# Altium PCB tesis.PcbDoc (part 1 of 3) (continued)
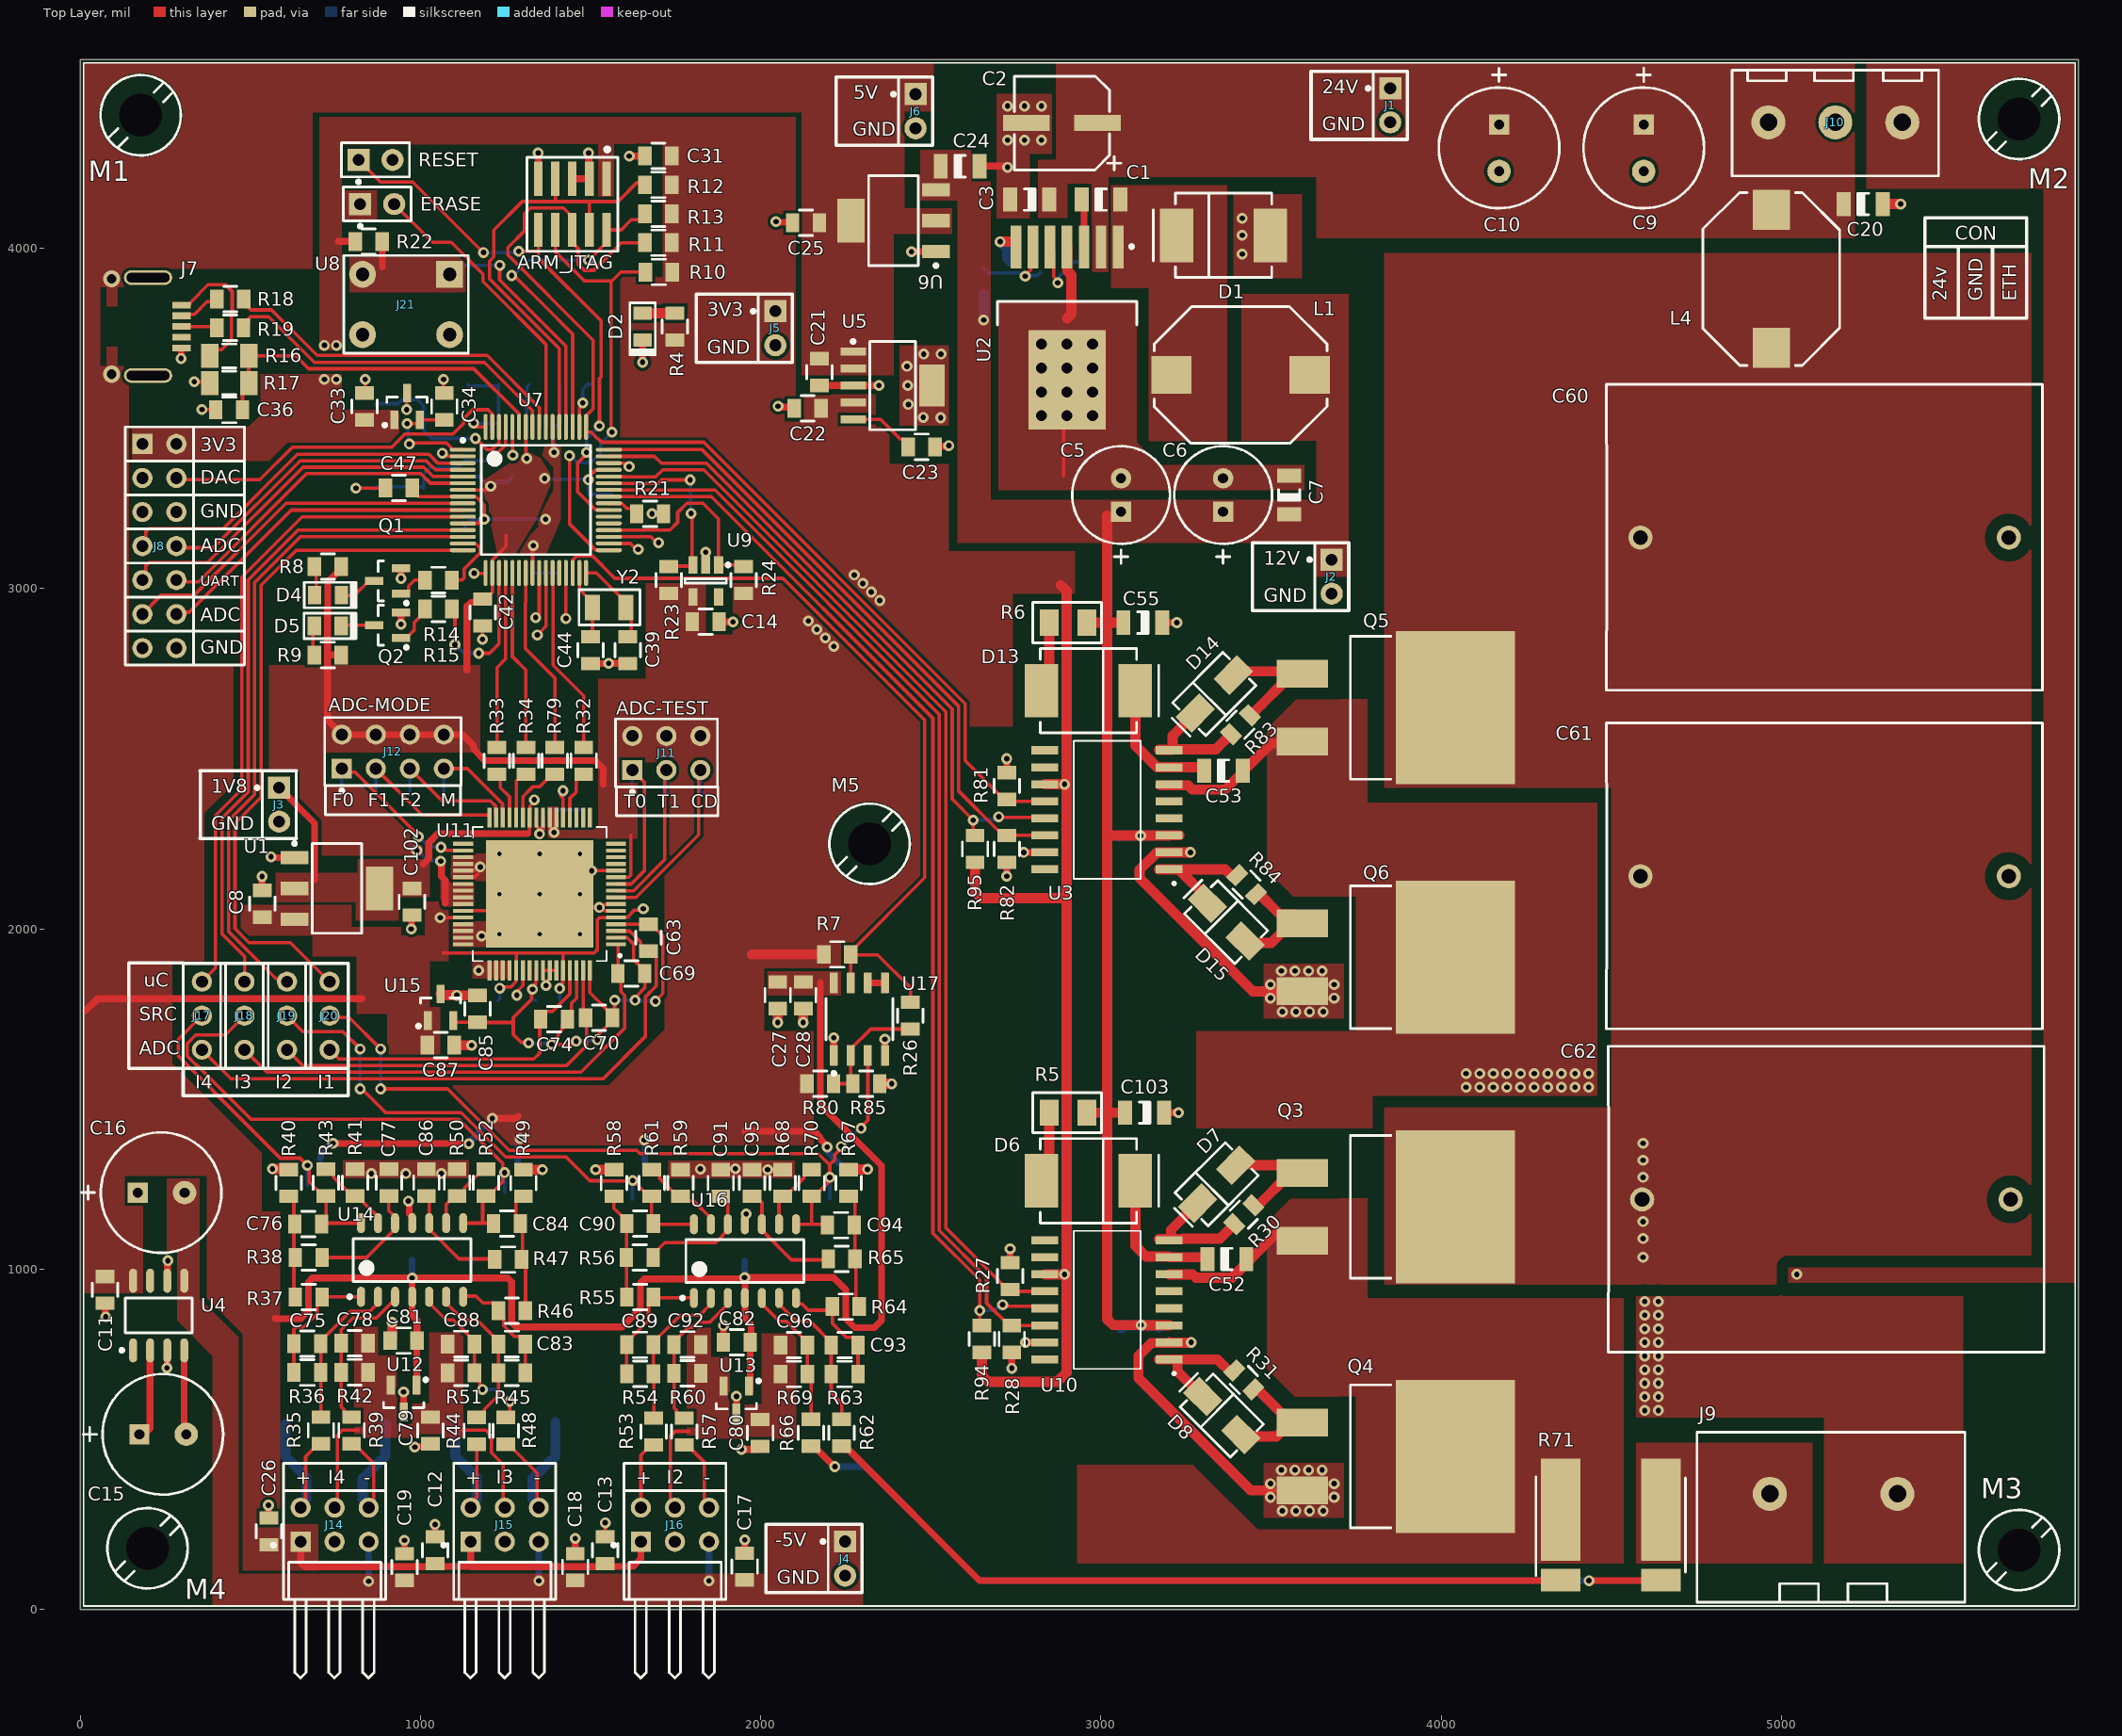
[diagram p0: Top Layer view]
## Components (designator, comment, footprint, x,y, rotation, side; value= is the part's Value field where it differs from the comment) (continued)
C88 "CAP_GRM2195C1H103FA01D_MURATA" CAPC2013X110N 1119.66,780.31 r0 top value=10nF
C89 "CAP_GRM2195C1H103FA01D_MURATA" CAPC2013X110N 1645.66,777.94 r180 top value=10nF
C90 "CAP_GRM2195C1H103FA01D_MURATA" CAPC2013X110N 1645.65,1134.44 r0 top value=10nF
C91 "CAP_GRM2195C1H103FA01D_MURATA" CAPC2013X110N 1882.66,1253.39 r270 top value=10nF
C92 "CAP_GRM2195C1H103FA01D_MURATA" CAPC2013X110N 1784.66,778.94 r180 top value=10nF
C93 "CAP_GRM2165C1H362JA01D" CAPC2013X110N 2246.66,776.94 r0 top value=3.6nF
C94 "CAP_GRM2195C1H103FA01D_MURATA" CAPC2013X110N 2235.65,1129.44 r180 top value=10nF
C95 "CAP_GRM2195C1H103FA01D_MURATA" CAPC2013X110N 1974.66,1253.39 r270 top value=10nF
C96 "CAP_GRM2165C1H362JA01D" CAPC2013X110N 2097.66,776.94 r0 top value=3.6nF
C97 "CAP_CC0805KRX7R8BB104_YAGEO" CAPC2013X110N 974.66,1067.31 r90 bottom value=0.1µF
C98 "CAP_CC0805KRX7R8BB104_YAGEO" CAPC2013X110N 1952.66,1063.94 r90 bottom value=0.1µF
C99 "CAP_GRM31CR61E476ME44L" CAPC3216X135N_B 3060,770 r90 bottom
C100 "CAP_GRT31CR61H106ME01L" CAPC3216X135N_B 5073,1273.5 r0 bottom value=10uF
C101 "CAP_GRT31CR61H106ME01L" CAPC3216X135N_B 5073,1173.5 r0 bottom value=10uF
C102 "CAP_CL21A106KOCL3RC" CAPC2013X110N 975,2079.63 r270 top value=10µF
C103 "CAP_GRM31CR61E476ME44L" CAPC3216X135N_B 3128,1460 r180 top
C104 "CAP_CC0805KRX7R8BB104_YAGEO" CAPC2013X110N 2898,985 r0 bottom value=0.1µF
C105 "CAP_GRT31CR61H106ME01L" CAPC3216X135N_B 5073,1363.5 r0 bottom value=10uF
C106 "CAP_CC0805KRX7R8BB104_YAGEO" CAPC2013X110N 3170,790 r270 bottom value=0.1µF
C108 "CAP_CC0805KRX7R8BB104_YAGEO" CAPC2013X110N 3180,2235 r270 bottom value=0.1µF
D1 "SK36-TP" DIOM7959X262N 3360.24,4038 r0 top
D2 "DIO_150080YS75000_WURTH" DIO0805 1653,3770 r90 top
D4 "DIO_150080RS75000_WURTH" DIO0805 728.49,2980.98 r180 top
D5 "DIO_150080VS75000_WURTH" DIO0805 728,2890 r180 top
D6 "SK36-TP" DIOM7959X262N 2963,1260 r180 top
D7 "S1A-13-F" DIOM430260X215N 3340,1250 r45 top
D8 "S1A-13-F" DIOM430260X215N 3355,570 r315 top
D9 "BAS40-04-TP" SOT23-3M 668,1285 r270 bottom
D10 "BAS40-04-TP" SOT23-3M 1248,1265 r270 bottom
D11 "BAS40-04-TP" SOT23-3M 1623,1245 r270 bottom
D12 "BAS40-04-TP" SOT23-3M 2203,1245.86 r270 bottom
D13 "SK36-TP" DIOM7959X262N 2963,2700 r180 top
D14 "S1A-13-F" DIOM430260X215N 3333,2690 r45 top
D15 "S1A-13-F" DIOM430260X215N 3368,2020 r315 top
ERASE "CON_Header_1x2" RAD2 873,4130 r0 top
J1 "CON_Header_1x2" RAD2 3850,4420 r270 top
J2 "CON_Header_1x2" RAD2 3678,3035 r270 top
J3 "CON_Header_1x2" RAD2 585,2365 r270 top
J4 "CON_Header_1x2" RAD2 2248,150 r270 top
J5 "CON_Header_1x2" RAD2 2043,3765 r270 top
J6 "CON_Header_1x2" RAD2 2455,4402.78 r270 top
J7 "CON_MINI_USB" "UBS MINIB" 58,3770 r270 top
J8 "CON_Header_CAL_1" HEADERCAL_1 183,3425 r270 top
J9 "CON_1714971" PHOENIX_1714971 5153,340 r0 top
J10 "CON_691137710003" CON_691137710003 5158.15,4370 r180 top
J11 "CON_Header_2x3" HDR2X3 1622.91,2466.95 r0 top
J12 "CON_Header_2x4" HDR2X4 769,2471 r0 top
J14 "CON_Header_2x3_90º" HDR2X3-90º 648,199.44 r0 top
J15 "CON_Header_2x3_90º" HDR2X3-90º 1148,199.44 r0 top
J16 "CON_Header_2x3_90º" HDR2X3-90º 1648,199.44 r0 top
J17 "CON_Header_1x3_3D" PIN3_3DMODEL 358,1845 r270 top
J18 "CON_Header_1x3_3D" PIN3_3DMODEL 483,1845 r270 top
J19 "CON_Header_1x3_3D" PIN3_3DMODEL 608,1845 r270 top
J20 "CON_Header_1x3_3D" PIN3_3DMODEL 733,1845 r270 top
J21 "MSC_B3F-1000_OMRON" SW_1825910-6 958,3835 r0 top
L1 "MAG_SRR1005-100M_BOURNS" MAG_INDUCTOR2A 3410.24,3628 r0 top value=10UH/2A
L3 "MAG_PM1812-100J-RC" INDC4532X170N 1322.01,3490 r180 bottom value=10UH/250mA
L4 "MAG_SRR1005-100M_BOURNS" MAG_INDUCTOR2A 4970,3910 r270 top value=10UH/2A
M1 "MSC_SCREW" MH320 178,4391 r0 top
M2 "MSC_SCREW" MH320 5698,4380 r0 top
M3 "MSC_SCREW" MH320 5698,175 r0 top
M4 "MSC_SCREW" MH320 198,180 r0 top
M5 "MSC_SCREW" MH320 2320,2250 r0 top
Q1 "MMBT2222A" SOT23-3M 903.63,3022.4 r180 top
Q2 "MMBT2222A" SOT23-3M 903.63,2892.4 r180 top
Q3 "IRF3205S" FP-PG-TO263-3-MFG 3923,1183.33 r270 top
Q4 "IRF3205S" FP-PG-TO263-3-MFG 3923,450 r270 top
Q5 "IRF3205S" FP-PG-TO263-3-MFG 3923,2650 r270 top
Q6 "IRF3205S" FP-PG-TO263-3-MFG 3923,1916.67 r270 top
R1 "RES_RC0805FR-078K87L" RESC2013X065BN 2655.24,3903 r90 bottom value=8k87
R2 "RES_ERJ-8GEYJ822V_Panasonic" RESC3216N 2930.24,3903 r90 bottom value=8.2K
R3 "RES_RC0805FR-071K07L" RESC2013X065BN 2823,3890 r90 bottom value=1k07
R4 "RES_RC0805FR-07130RL_YAGEO" RESC2013X065BN 1748,3770 r270 top value=130
R5 "RES_RCS12062R00JNEA_VISHAY" RES_RCS1206e3_VISHAY 2903,1460 r0 top value=2
R6 "RES_RCS12062R00JNEA_VISHAY" RES_RCS1206e3_VISHAY 2903,2900 r0 top value=2
R7 "RES_RC0805FR-074K7L_YAGEO" RESC2013X065BN 2225,1925 r180 top value=4K7
R8 "RES_RC0805FR-07130RL_YAGEO" RESC2013X065BN 728,3065 r0 top value=130
R9 "RES_RC0805FR-07130RL_YAGEO" RESC2013X065BN 728,2805 r0 top value=130
R10 "RES_AC0805JR-07100KL_YAGEO" RESC2013X065BN 1700.59,3930.18 r0 top value=100k
R11 "RES_AC0805JR-07100KL_YAGEO" RESC2013X065BN 1699.16,4016.26 r0 top value=100k
R12 "RES_AC0805JR-07100KL_YAGEO" RESC2013X065BN 1699.16,4186.26 r0 top value=100k
R13 "RES_AC0805JR-07100KL_YAGEO" RESC2013X065BN 1699.16,4101.26 r0 top value=100k
R14 "RES_RC0805FR-0710KL_YAGEO" RESC2013X065BN 1053,3025 r0 top value=10k
R15 "RES_RC0805FR-0710KL_YAGEO" RESC2013X065BN 1053,2940 r0 top value=10k
R16 "RES_RC1206JR-07100KL_YAGEO" RESC3216N 438.27,3684 r0 top value=100k
R17 "RES_RC1206JR-07180KL_YAGEO" RESC3216N 438.27,3604 r180 top value=180k
R18 "RES_AC0805JR-0722RL_YAGEO" RESC2013X065BN 441.27,3851 r0 top value=22
R19 "RES_AC0805JR-0722RL_YAGEO" RESC2013X065BN 441.01,3766.74 r0 top value=22
R20 "RES_RC0805JR-0710KL_YAGEO" RESC2013X065BN 1499.6,3639.63 r270 bottom value=10k
R21 "RES_RC0805JR-0710KL_YAGEO" RESC2013X065BN 1675,3220 r180 top value=10k
R22 "RES_RC0805JR-0710KL_YAGEO" RESC2013X065BN 848,4020 r180 top value=10k
R23 "RES_RC0805FR-074K7L_YAGEO" RESC2013X065BN 1730,3025 r270 top value=4K7
R24 "RES_RC0805FR-074K7L_YAGEO" RESC2013X065BN 1950,3025 r270 top value=4K7
R25 "RES_AC0805JR-07100KL_YAGEO" RESC2013X065BN 4738,1085 r180 bottom value=100k
R26 "RES_RC0805FR-0724KL_YAGEO" RESC2013X065BN 2440,1745 r270 top value=24k
R27 "RES_RC0805FR-074K7L_YAGEO" RESC2013X065BN 2733,980 r270 top value=4K7
R28 "RES_RC0805FR-074K7L_YAGEO" RESC2013X065BN 2738,795 r90 top value=4K7
R29 "RES_AC0805JR-07100KL_YAGEO" RESC2013X065BN 5063,1085 r180 bottom value=100k
R30 "RES_AC0805JR-0722RL_YAGEO" RESC2013X065BN 3420,1160 r45 top value=22
R31 "RES_AC0805JR-0722RL_YAGEO" RESC2013X065BN 3420,675 r315 top value=22
R32 "RES_RC0805FR-07100RL_YAGEO" RESC2013X065BN 1480,2494 r270 top value=100
R33 "RES_RC0805FR-07100RL_YAGEO" RESC2013X065BN 1225,2493.88 r270 top value=100
R34 "RES_RC0805FR-07100RL_YAGEO" RESC2013X065BN 1310,2494 r270 top value=100
R35 "RES_RC0805FR-073K16L_YAGEO" RESC2013X065BN 707.66,526.31 r270 top value=3k16
R36 "RES_RC0805FR-074K7L_YAGEO" RESC2013X065BN 667.66,696.31 r0 top value=4K7
R37 "RES_RC0805FR-079K31L_YAGEO" RESC2013X065BN 671.65,918.44 r0 top value=9K31
R38 "RES_RC0805FR-074K7L_YAGEO" RESC2013X065BN 671.65,1034.44 r180 top value=4K7
R39 "RES_RC0805FR-073K16L_YAGEO" RESC2013X065BN 797.66,526.31 r270 top value=3k16
R40 "RES_RC0805FR-079K31L_YAGEO" RESC2013X065BN 612.74,1253.39 r270 top value=9K31
R41 "RES_RC0805FR-0710KL_YAGEO" RESC2013X065BN 807.66,1254.31 r270 top value=10k
R42 "RES_RC0805FR-074K7L_YAGEO" RESC2013X065BN 806.66,697.31 r0 top value=4K7
R43 "RES_RC0805FR-0710KL_YAGEO" RESC2013X065BN 722.66,1254.31 r90 top value=10k
R44 "RES_RC0805FR-073K16L_YAGEO" RESC2013X065BN 1165.66,525.31 r270 top value=3k16
R45 "RES_RC0805FR-074K7L_YAGEO" RESC2013X065BN 1268.66,695.31 r180 top value=4K7
R46 "RES_RC0805FR-079K31L_YAGEO" RESC2013X065BN 1269,878.44 r180 top value=9K31
R47 "RES_RC0805FR-074K7L_YAGEO" RESC2013X065BN 1258,1028.44 r0 top value=4K7
R48 "RES_RC0805FR-073K16L_YAGEO" RESC2013X065BN 1250.66,525.31 r270 top value=3k16
R49 "RES_RC0805FR-079K31L_YAGEO" RESC2013X065BN 1302.74,1253.39 r270 top value=9K31
R50 "RES_RC0805FR-0710KL_YAGEO" RESC2013X065BN 1107.66,1254.31 r270 top value=10k
R51 "RES_RC0805FR-074K7L_YAGEO" RESC2013X065BN 1119.66,695.31 r180 top value=4K7
R52 "RES_RC0805FR-0710KL_YAGEO" RESC2013X065BN 1192.66,1254.31 r90 top value=10k
R53 "RES_RC0805FR-073K16L_YAGEO" RESC2013X065BN 1685.66,522.94 r270 top value=3k16
R54 "RES_RC0805FR-074K7L_YAGEO" RESC2013X065BN 1645.66,692.94 r0 top value=4K7
R55 "RES_RC0805FR-079K31L_YAGEO" RESC2013X065BN 1645.66,917.94 r0 top value=9K31
R56 "RES_RC0805FR-074K7L_YAGEO" RESC2013X065BN 1644.65,1034.44 r180 top value=4K7
R57 "RES_RC0805FR-073K16L_YAGEO" RESC2013X065BN 1775.66,522.94 r270 top value=3k16
R58 "RES_RC0805FR-079K31L_YAGEO" RESC2013X065BN 1568.74,1253.39 r270 top value=9K31
R59 "RES_RC0805FR-0710KL_YAGEO" RESC2013X065BN 1764.66,1253.39 r270 top value=10k
R60 "RES_RC0805FR-074K7L_YAGEO" RESC2013X065BN 1784.66,693.94 r0 top value=4K7
R61 "RES_RC0805FR-0710KL_YAGEO" RESC2013X065BN 1679.66,1253.39 r90 top value=10k
R62 "RES_RC0805FR-071K02L" RESC2013X065BN 2238,519.44 r270 top value=1.02k
R63 "RES_RC0805FR-0712K7L" RESC2013X065BN 2246.66,691.94 r180 top value=12.7k
R64 "RES_RC0805FR-079K31L_YAGEO" RESC2013X065BN 2250,890 r180 top value=9K31
R65 "RES_RC0805FR-074K7L_YAGEO" RESC2013X065BN 2238,1030 r0 top value=4K7
R66 "RES_RC0805FR-071K02L" RESC2013X065BN 2148,519.44 r270 top value=1.02k
R67 "RES_RC0805FR-079K31L_YAGEO" RESC2013X065BN 2258.74,1253.39 r270 top value=9K31
R68 "RES_RC0805FR-0710KL_YAGEO" RESC2013X065BN 2064.66,1253.39 r270 top value=10k
R69 "RES_RC0805FR-0712K7L" RESC2013X065BN 2097.66,691.94 r180 top value=12.7k
R70 "RES_RC0805FR-0710KL_YAGEO" RESC2013X065BN 2149.66,1253.39 r90 top value=10k
R71 "WSL36376L000FEA" RES_WSL36376L000FEA 4498,190 r270 top value=6mR
R72 "RES_RC0805FR-0710KL_YAGEO" RESC2013X065BN 770.65,2355.06 r90 bottom value=10k
R73 "RES_RC0805FR-0710KL_YAGEO" RESC2013X065BN 870.65,2355.06 r90 bottom value=10k
R74 "RES_RC0805FR-0710KL_YAGEO" RESC2013X065BN 970.65,2355.06 r90 bottom value=10k
R75 "RES_RC0805FR-0710KL_YAGEO" RESC2013X065BN 1070.65,2355.06 r90 bottom value=10k
R76 "RES_RC0805FR-0710KL_YAGEO" RESC2013X065BN 1623.5,2356.32 r90 bottom value=10k
R77 "RES_RC0805FR-0710KL_YAGEO" RESC2013X065BN 1726.84,2357.3 r90 bottom value=10k
R78 "RES_RC0805FR-0710KL_YAGEO" RESC2013X065BN 1833.14,2358.28 r90 bottom value=10k
R79 "RES_RC0805FR-07100RL_YAGEO" RESC2013X065BN 1395,2494 r270 top value=100
R80 "RES_RC0805FR-0710KL_YAGEO" RESC2013X065BN 2175,1545 r180 top value=10k
R81 "RES_RC0805FR-074K7L_YAGEO" RESC2013X065BN 2723,2420 r270 top value=4K7
R82 "RES_RC0805FR-074K7L_YAGEO" RESC2013X065BN 2723,2235 r90 top value=4K7
R83 "RES_AC0805JR-0722RL_YAGEO" RESC2013X065BN 3410,2600 r45 top value=22
R84 "RES_AC0805JR-0722RL_YAGEO" RESC2013X065BN 3428,2130 r315 top value=22
R85 "RC0805JR-0775KL" RESC2013X065BN 2310,1545 r180 top value=75k
R86 "RES_RC1206FR-071RL" RESC3216N 660,545 r0 bottom value=1
R87 "RES_RC1206FR-071RL" RESC3216N 660,460 r0 bottom value=1
R88 "RES_RC1206FR-071RL" RESC3216N 840,460 r0 bottom value=1
R89 "RES_RC1206FR-071RL" RESC3216N 840,545 r0 bottom value=1
R90 "RES_RC1206FR-071RL" RESC3216N 1160,550 r0 bottom value=1
R91 "RES_RC1206FR-071RL" RESC3216N 1160,460 r0 bottom value=1
R92 "RES_RC1206FR-071RL" RESC3216N 1340,460 r0 bottom value=1
R93 "RES_RC1206FR-071RL" RESC3216N 1340,550 r0 bottom value=1
R94 "RES_RC0805FR-074K7L_YAGEO" RESC2013X065BN 2650,795 r270 top value=4K7
R95 "RES_RC0805FR-074K7L_YAGEO" RESC2013X065BN 2630,2235 r270 top value=4K7
RESET "CON_Header_1x2" RAD2 868,4260 r0 top
U1 "LM1117MP-1.8/NOPB" SOT223-3L 755,2119 r0 top
U2 "LM22673TJ-ADJ" TJ7A_N 2900.24,3766.78 r270 top
U3 "IRS2110SPBF" SOIC127P1030X265-16N 3018,2350 r180 top
U4 "LM2660" SOIC127P600-8BN 231,864 r90 top
U5 "TPS79533DCQR" SOT223-6L 2387.8,3596.68 r0 top
U6 "LM1117MP-5.0/NOPB" SOT223-3L 2390,4081 r180 top
U7 "SAM4S8B" TQFP50P1000X1000X160-64N 1339.16,3260.42 r0 top value=ATSAM4S
U8 "ISL21010_3V0" SOT23-3M 960.4,3535.32 r90 top
U9 "FT24C04A-KLR-T" SOT23-5AM 1838.42,3022.35 r270 top
U10 "IRS2110SPBF" SOIC127P1030X265-16N 3018,910 r180 top
U11 "ADS1174IPAPT" TFP410PAP 1350.5,2102.43 r180 top
U12 "ISL21080_1V5" SOT23-3M 950.66,620.31 r270 top
U13 "ISL21080_1V5" SOT23-3M 1928.66,616.94 r270 top
U14 "IC_TLV2474_ANALOG" SOIC127P600-14AN 975.66,1027.31 r90 top value=TLV2474
U15 "ISL21080_1V5" SOT23-3M 1059.31,1769.54 r90 top
U16 "IC_TLV2474_ANALOG" SOIC127P600-14AN 1953.66,1023.94 r90 top value=TLV2474
U17 "LM311D" FP-D0008A-MFG 2290,1735 r90 top
Y1 "MSC_ECS-120-20-3X-TR_ECS" CSM-3X 1009.6,3402.27 r270 bottom value=12MHz
Y2 "MSC_ECS-.327-12.5-34S-TR_ECS" XTAL3215X090N 1554.6,2944 r0 top value=32.768KHz

## Footprints (in the part's own frame and the unit in brackets; to place one, negate y for a bottom-side part, rotate by r counter-clockwise, add the part's x,y. Pads: shape width x height; smd on the part's side, far side on the other; paste and mask are expansions set on the pad)
C180H110 [mm]
  round 1.8 hole 1.1: 1(0,0) 2(27.5,0)
  silkscreen extent -2.54,-11.39 30,11.43, body extent -2.03,-11 29.47,11, height 36.5
CAPAE630770X770N [mm] "SMD Aluminum Electrolytic Capacitor; Body: 6.3x7.7 mm (DxL) // Source: UD series, Nichicon"
  rect 3.5x1.2 smd: 1(2.65,0) 2(-2.65,0)
  silkscreen extent -3.55,-3.5 4.4,3.5, body extent -3.65,-3.3 3.65,3.3, height 7.7
CAPC2013X110N [mm] "Chip Capacitor, 0805, Body 2.0x1.3mm, IPC Medium Density"
  rect 1x1.4 smd: 1(-1,0) 2(1,0)
  silkscreen extent -0.5,-0.95 0.5,0.95, body extent -1,-0.62 1,0.63, height 0.6
CAPC3216X135N_B [mm] "Chip Capacitor, 1206, UL840 2mm, Body 3.2x1.6mm, IPC Medium Density"
  rect 1.05x1.8 smd: 1(-1.45,0) 2(1.45,0)
  silkscreen extent -0.4,-0.8 0.4,0.8, body extent -1.6,-0.8 1.6,0.8, height 0.79
CAPPRD250W50D630H1250 [mil] "Capacitor, Polarized Radial Diameter, 2.5 Lead Spacing, 0.5 Lead Width, 6.3 Diameter, 12.5 Height"
  rect 60x60 hole 30: 1(0,-49.21)
  round 60 hole 30: 2(0,49.21)
  silkscreen extent -144,-201 144,144, body extent -125,-125 125,125, height 513
CAPPRD350W60D800H1200 [mm] "Capacitor, Polarized Radial Diameter, 3.5 Lead Spacing, 0.6 Lead Width, 8.0 Diameter, 12.0 Height"
  rect 1.5x1.5 hole 0.75: 1(0,-1.75)
  round 1.75 hole 0.75: 2(0,1.75)
  silkscreen extent -4.5,-5.95 4.5,4.5, body extent -4.24,-4.25 4.24,4.21, height 13
CON_691137710003 [mm] "Terminal Block 5.08mm pitch, vertical, 3 positions pcb mounting, Phoenix Contact"
  round 2.54 hole 1.3: 1(-5,0) 2(0,0) 3(5,0)
  silkscreen extent -7.7,-3.9 7.7,4, body extent -7.5,-3.7 7.5,3.8, height 11.51
CSM-3X [mm] "Quartz Crystal, SM; Body 7.00 mm x 4.10 mm x 2.30 mm"
  rect 3.5x1.2 smd: 1(-2.75,0) 2(2.75,0)
  silkscreen extent -4.25,-2.22 4.13,2.29, body extent -3.8,-2.03 3.8,2.07, height 2.3
DIO0805 [mm] "Chip Capacitor, 0805, Body 2.0x1.3mm, IPC Medium Density"
  rect 1x1.4 smd: 1(-1,0) 2(1,0)
  silkscreen extent -2.1,-0.95 1.78,0.95, body extent -1,-0.62 1,0.62, height 0.8
DIOM7959X262N [mm] "Molded Diode, JEDEC DO-214AB (SMC), 7.9mmX5.9mm"
  rect 2.5x4 smd: 1(-3.5,0) 2(3.5,0)
  silkscreen extent -5.25,-3.15 3.6,3.15, body extent -3.98,-2.95 3.97,2.95, height 2.3
DIOM430260X215N [mm] "SMA (DO-214AC) // Source: AP02001 Rev. 37 - Recommended Pad Layout per IPC-7351A, Diodes Inc"
  rect 2.5x1.7 smd: 1(-2,0) 2(2,0)
  silkscreen extent -3.5,-1.75 2.65,1.75, body extent -2.6,-1.3 2.6,1.3, height 2.5
FCI_20021121-00010C4LF [mil] "CONNECTOR, MICRO TERMINAL STRIP, 10POS, 2ROW, 1.27MM"
  rect 100x25 smd: 1(-75,100) 2(75,100) 3(-75,50) 4(75,50) 5(-75,0) 6(75,0) 7(-75,-50) 8(75,-50) 9(-75,-100) 10(75,-100)
  silkscreen extent -163,-133 138,133, body extent -108,-125 108,125, height 176
FP-D0008A-MFG [mm]
  rrect17% 1.55x0.6 smd paste+0 mask+0: 1(-2.7,1.905) 2(-2.7,0.635) 3(-2.7,-0.635) 4(-2.7,-1.905) 5(2.7,-1.905) 6(2.7,-0.635) 7(2.7,0.635) 8(2.7,1.905)
  silkscreen extent -4.17,-2.5 1.55,2.5, body extent -3.57,-2.75 3.57,2.75, height 0.25
FP-PG-TO263-3-MFG [mm]
  rect 2.08x3.81 smd paste+0 mask+0: 1(-2.54,-8.417) 3(2.54,-8.417)
  rect 11.43x8.89 smd paste+0 mask+0: 2(0,3.013)
  silkscreen extent -5.34,-4.82 5.34,-1.81, body extent -5.81,-10.42 5.81,7.56, height 0.25
HDR2X3 [mm]
  rect 1.5x1.5 hole 0.9: 1(0,0)
  round 1.5 hole 0.9: 2(0,2.54) 3(2.54,0) 4(2.54,2.54) 5(5.08,0) 6(5.08,2.54)
  silkscreen extent -1.27,-1.78 6.35,3.81, body extent -1.27,-1.27 6.35,3.81, height 9.21
HDR2X3-90º [mm]
  rect 1.5x1.5 hole 0.9: 1(0,0)
  round 1.5 hole 0.9: 2(0,2.54) 3(2.54,0) 4(2.54,2.54) 5(5.08,0) 6(5.08,2.54)
  silkscreen extent -2.16,-10.17 6.35,3.81, body extent -0.98,-9.79 6.24,2.84, height 4.84
HDR2X4 [mm]
  rect 1.5x1.5 hole 0.9: 1(0,0)
  round 1.5 hole 0.9: 2(0,2.54) 3(2.54,0) 4(2.54,2.54) 5(5.08,0) 6(5.08,2.54) 7(7.62,0) 8(7.62,2.54)
  silkscreen extent -1.27,-1.78 8.89,3.81, body extent -1.27,-1.27 8.89,3.81, height 9.27
HEADERCAL_1 [mm]
  rect 1.5x1.5 hole 0.9: 1(0,0)
  round 1.5 hole 0.9: 2(0,2.54) 3(2.54,0) 4(2.54,2.54) 5(5.08,0) 6(5.08,2.54) 7(7.62,0) 8(7.62,2.54) 9(10.16,0) 10(10.16,2.54) 11(12.7,0) 12(12.7,2.54) 13(15.24,0) 14(15.24,2.54)
  silkscreen extent -1.27,-1.27 16.51,7.62
INDC4532X170N [mm] "Chip Inductor, Body 4.5x3.2mm, IPC Medium Density"
  rect 1.5x3 smd: 1(-2.25,0) 2(2.25,0)
  silkscreen extent -1,-1.85 1,1.85, body extent -2.25,-1.6 2.25,1.6
MAG_INDUCTOR2A [mm] "Precision Wire Wound Inductor, 2-Leads, Body 12,7x10,0mm, IPC Medium Density"
  rect 3x2.8 smd: 1(-5.15,0) 2(5.15,0)
  silkscreen extent -6.45,-5.1 6.45,5.1, body extent -6.48,-5 6.22,5, height 5.2
MH320 [mm] "Mounting Hole, 3.2mm diameter"
  round 0 hole 3.2 unplated: 1(0,0)
  silkscreen extent -3,-3 3,3
PHOENIX_1714971 [mm] "Terminal Block 5.08mm pitch, vertical, 2 positions pcb mounting, Phoenix Contact"
  round 2.54 hole 1.3: 1(-4.76,0) 2(4.76,0)
  silkscreen extent -10.2,-8.1 9.8,4.6, body extent -10.11,-8 9.51,4.5, height 21.51
PIN3_3DMODEL [mm]
  round 1.5 hole 0.9: 1(0,0) 3(5.08,0)
  oval 1.51x1.5 hole 0.9: 2(2.54,0)
  silkscreen extent -1.4,-1.4 6.48,1.4, body extent -1.21,-1.46 6.41,1.46, height 8.51
RAD2 [mil] "Radial Cap, Thru-Hole; 2 Leads; 0.1 in Pin Spacing"
  rect 65x65 hole 35: 1(-50,0)
  round 65 hole 35: 2(50,0)
  silkscreen extent -100,-70 100,50, body extent -97,-51 103,47, height 330
RES_RCS1206e3_VISHAY [mm]
  rect 1.4x1.95 smd: 1(-1.4,0) 2(1.4,0)
  silkscreen extent -2.62,-1.5 2.5,1.5, body extent -1.6,-0.8 1.6,0.8, height 0.66
RES_WSL36376L000FEA [mm]
  rect 1.68x2.95 smd: 1(2.63,3.735) 2(2.63,-3.735)
  rect 7.62x2.95 smd: 3(-2.63,3.735) 4(-2.63,-3.735)
  silkscreen extent -5.08,-5.59 2.29,5.59, body extent -6,-4.57 3.4,4.57, height 0.65
RESC2013X065BN [mm] "Chip Resistor, 0805, Body 2.0x1.3mm, Pads modified for 1mm spacing."
  rect 1x1.4 smd: 1(-1,0) 2(1,0)
  silkscreen extent -0.5,-0.95 0.5,0.95, body extent -1,-0.63 1,0.63, height 0.45
RESC3216N [mm] "Chip Resistor, Body 3.2x1.6mm, IPC Medium Density"
  rect 1.3x1.8 smd: 1(-1.45,0) 2(1.45,0)
  silkscreen extent -0.5,-0.9 0.5,0.87, body extent -1.6,-0.8 1.6,0.8, height 0.55
SOIC127P600-8BN [mm] "SOIC, 8-Leads, Body 4.9x3.9mm, Pitch 1.27mm, IPC Medium Density"
  oval 1.8x0.6 smd: 1(-2.6,1.905) 2(-2.6,0.635) 3(-2.6,-0.635) 4(-2.6,-1.905) 5(2.6,-1.905) 6(2.6,-0.635) 7(2.6,0.635) 8(2.6,1.905)
  silkscreen extent -2.72,-2.5 1.3,2.88, body extent -3,-2.45 3,2.45, height 1.75
SOIC127P600-14AN [mm] "SOIC, 14-Leads, Body 8.6x3.9mm, Pitch 1.27mm, IPC Medium Density"
  oval 1.5x0.6 smd: 1(-2.75,3.81) 2(-2.75,2.54) 3(-2.75,1.27) 4(-2.75,0) 5(-2.75,-1.27) 6(-2.75,-2.54) 7(-2.75,-3.81) 8(2.75,-3.81) 9(2.75,-2.54) 10(2.75,-1.27) 11(2.75,0) 12(2.75,1.27) 13(2.75,2.54) 14(2.75,3.81)
  silkscreen extent -2.87,-4.4 1.6,4.78, body extent -3,-4.37 3,4.38, height 1.75
SOIC127P1030X265-16N [mm]
  rect 2x0.6 smd: 1(-4.64,4.445) 2(-4.64,3.175) 3(-4.64,1.905) 4(-4.64,0.635) 5(-4.64,-0.635) 6(-4.64,-1.905) 7(-4.64,-3.175) 8(-4.64,-4.445) 9(4.64,-4.445) 10(4.64,-3.175) 11(4.64,-1.905) 12(4.64,-0.635) 13(4.64,0.635) 14(4.64,1.905) 15(4.64,3.175) 16(4.64,4.445)
  silkscreen extent -5.1,-5.15 2.5,5.6, body extent -5.31,-5.25 5.31,5.25, height 2.66
SOT23-3M [mm] "SOT23, 3-Leads, Body 2.9x1.3mm, Pitch 0.95mm, Lead Span 2.5mm, IPC Low Density"
  rect 1.397x0.6 smd: 1(-1,0.95) 2(-1,-0.95) 3(1,0)
  silkscreen extent -1.52,-1.5 0.7,1.78, body extent -1.25,-1.5 1.25,1.5, height 1.06
SOT23-5AM [mm] "SOT23, 5-Leads, Body 2.9x1.7mm, Pitch 0.95mm, Lead Span 2.8mm, IPC Low Density"
  rect 1.3x0.7 smd: 1(-1.2,0.95) 2(-1.2,0) 3(-1.2,-0.95) 4(1.2,-0.95) 5(1.2,0.95)
  silkscreen extent -1.32,-1.55 0.15,1.8, body extent -1.19,-1.5 1.31,1.5, height 1.06
SOT223-3L [mm] "SOT223, 4-Leads, Body 6.7x3.7mm, Pitch 2.3mm, IPC Low Density"
  rect 2.05x1 smd: 1(-3.175,2.3) 2(-3.175,0) 3(-3.175,-2.3)
  rect 2.05x3.25 smd: 4(3.175,0)
  silkscreen extent -3.3,-3.35 1.85,3.47, body extent -3.5,-3.25 3.5,3.25, height 1.62
SOT223-6L [mm] "SOT223, 6-Leads, Body 6.5x3.5mm, Pitch 1.27mm, Lead Span 7mm, IPC High Density"
  rect 1.9x0.6 smd: 1(-2.95,2.54) 2(-2.95,1.27) 3(-2.95,0) 4(-2.95,-1.27) 5(-2.95,-2.54)
  rect 1.9x3.1 smd: 6(2.95,0)
  silkscreen extent -3.07,-3.3 1.7,3.41, body extent -3.63,-3.25 3.63,3.3, height 1.9
SW_1825910-6 [mm] "1825910-6 (Formerly FSM4JH) Push Button"
  rect 2x2 hole 1: 1(3.25,2.25)
  round 2 hole 1: 2(-3.25,2.25) 3(3.25,-2.25) 4(-3.25,-2.25)
  silkscreen extent -4.65,-3.65 4.65,3.65, body extent -3.9,-2.99 3.9,3, height 5
TFP410PAP [mm]
  rect 1.5x0.3 smd mask+0: 1(-5.7,3.75) 2(-5.7,3.25) 3(-5.7,2.75) 4(-5.7,2.25) 5(-5.7,1.75) 6(-5.7,1.25) 7(-5.7,0.75) 8(-5.7,0.25) 9(-5.7,-0.25) 10(-5.7,-0.75) 11(-5.7,-1.25) 12(-5.7,-1.75) 13(-5.7,-2.25) 14(-5.7,-2.75) 15(-5.7,-3.25) 16(-5.7,-3.75) 33(5.7,-3.75) 34(5.7,-3.25) 35(5.7,-2.75) 36(5.7,-2.25) 37(5.7,-1.75) 38(5.7,-1.25) 39(5.7,-0.75) 40(5.7,-0.25) 41(5.7,0.25) 42(5.7,0.75) 43(5.7,1.25) 44(5.7,1.75) 45(5.7,2.25) 46(5.7,2.75) 47(5.7,3.25) 48(5.7,3.75)
  rect 0.3x1.5 smd mask+0: 17(-3.75,-5.7) 18(-3.25,-5.7) 19(-2.75,-5.7) 20(-2.25,-5.7) 21(-1.75,-5.7) 22(-1.25,-5.7) 23(-0.75,-5.7) 24(-0.25,-5.7) 25(0.25,-5.7) 26(0.75,-5.7) 27(1.25,-5.7) 28(1.75,-5.7) 29(2.25,-5.7) 30(2.75,-5.7) 31(3.25,-5.7) 32(3.75,-5.7) 49(3.75,5.7) 50(3.25,5.7) 51(2.75,5.7) 52(2.25,5.7) 53(1.75,5.7) 54(1.25,5.7) 55(0.75,5.7) 56(0.25,5.7) 57(-0.25,5.7) 58(-0.75,5.7) 59(-1.25,5.7) 60(-1.75,5.7) 61(-2.25,5.7) 62(-2.75,5.7) 63(-3.25,5.7) 64(-3.75,5.7)
  rect 8.026x8.026 smd paste-5 mask+0: 65(0,0)
  silkscreen extent -6.1,-5 5,5, body extent -6,-6 6,6, height 1.2
TJ7A_N [mm] "D2-PAK, 8-Leads, Body 9.9x10.2mm, Pitch 1.27mm, Lead Span 14mm, IPC Medium Density"
  rect 3.2x0.8 smd: 1(-6,3.81) 2(-6,2.54) 3(-6,1.27) 4(-6,0) 5(-6,-1.27) 6(-6,-2.54) 7(-6,-3.81)
  rect 7.4x5.75 smd: 8(3.9,0)
  silkscreen extent -6.17,-5.2 -0.2,5.2, body extent -1.95,-5.2 8.15,5.2, height 2.1
TQFP50P1000X1000X160-64N [mm] "TQFP, 64-Leads, Body 10,00x10,00mm, Pitch 0,50mm, IPC Medium Density"
  oval 1.95x0.3 smd: 1(-5.45,3.75) 2(-5.45,3.25) 3(-5.45,2.75) 4(-5.45,2.25) 5(-5.45,1.75) 6(-5.45,1.25) 7(-5.45,0.75) 8(-5.45,0.25) 9(-5.45,-0.25) 10(-5.45,-0.75) 11(-5.45,-1.25) 12(-5.45,-1.75) 13(-5.45,-2.25) 14(-5.45,-2.75) 15(-5.45,-3.25) 16(-5.45,-3.75) 33(5.45,-3.75) 34(5.45,-3.25) 35(5.45,-2.75) 36(5.45,-2.25) 37(5.45,-1.75) 38(5.45,-1.25) 39(5.45,-0.75) 40(5.45,-0.25) 41(5.45,0.25) 42(5.45,0.75) 43(5.45,1.25) 44(5.45,1.75) 45(5.45,2.25) 46(5.45,2.75) 47(5.45,3.25) 48(5.45,3.75)
  oval 0.3x1.95 smd: 17(-3.75,-5.45) 18(-3.25,-5.45) 19(-2.75,-5.45) 20(-2.25,-5.45) 21(-1.75,-5.45) 22(-1.25,-5.45) 23(-0.75,-5.45) 24(-0.25,-5.45) 25(0.25,-5.45) 26(0.75,-5.45) 27(1.25,-5.45) 28(1.75,-5.45) 29(2.25,-5.45) 30(2.75,-5.45) 31(3.25,-5.45) 32(3.75,-5.45) 49(3.75,5.45) 50(3.25,5.45) 51(2.75,5.45) 52(2.25,5.45) 53(1.75,5.45) 54(1.25,5.45) 55(0.75,5.45) 56(0.25,5.45) 57(-0.25,5.45) 58(-0.75,5.45) 59(-1.25,5.45) 60(-1.75,5.45) 61(-2.25,5.45) 62(-2.75,5.45) 63(-3.25,5.45) 64(-3.75,5.45)
  silkscreen extent -5.57,-4.07 4.07,4.57, body extent -5.79,-5.79 5.79,5.79, height 1
"UBS MINIB" [mm]
  rect 0.5x1.4 smd: 1(-1.6,6.1) 2(-0.8,6.1) 3(0,6.1) 4(0.8,6.1) 5(1.6,6.1)
  rrect100% 1.1x3.6 hole 0.7 slot 3.2 at 90 deg: MH1(3.65,3.6) MH2(-3.65,3.6)
  Top Layer pour cut-out: -1.5,0 1.5,0 1.5,3.6 -1.5,3.6
  Top Layer pour cut-out: -1.5,2.1 -2.95,2.1 -2.95,1.3 -1.5,1.3
  Top Layer pour cut-out: -1.5,0.5 -2.95,0.5 -2.95,0 -1.5,0
  Top Layer pour cut-out: 2.95,0.5 1.5,0.5 1.5,0 2.95,0
  Top Layer pour cut-out: 2.95,2.1 1.5,2.1 1.5,1.3 2.95,1.3
  body extent -3.85,-0.5 3.85,6.5, height 3.91
XTAL3215X090N [mm] "Crystal, Body: 3.2mmm X 1.5mm"
  rect 1.1x1.9 smd: 1(-1.25,0) 2(1.25,0)
  silkscreen extent -2.25,-1.3 2.3,1.35, body extent -1.6,-0.75 1.6,0.75, height 0.9

## Part data
ARM_JTAG: "CONN HEADER 10POS DL UNSHRD SMD", Digikey Part Number=609-3695-1-ND, Manufacturer=FCI, Manufacturer Part Number=20021121-00010C4LF, Mouser Part Number=649-202112100010C4LF
C1: "10000pF, 630 V, Capacitores cerámicos, X7R, 1206 (3216 métrico), 0.126\" L x 0.063\" A (3.20 mm x 1.60 mm)", Digikey Part Number=445-2291-1-ND, Manufacturer=TDK, Manufacturer Part Number=C3216X7R2J103K115AA, Mouser Part Number=810-C3216X7R2J103K, Tolerance=10%, Voltage Rating="630 V"
C2: "47µF 50V Aluminum Capacitors Radial, Can - SMD 2000 Hrs @ 85°C", Digikey Part Number=PCE3929CT-ND, Manufacturer=Panasonic, Manufacturer Part Number=EEE-1HA470XP, Mouser Part Number=667-EEE-1HA470XP, Tolerance=20%, Voltage Rating=50V
C3 C4 C7: "1 µF, 25 V, Capacitores cerámicos, X7R, 1206 (3216 métrico), 0.126\" L x 0.063\" A (3.20 mm x 1.60 mm)", Digikey Part Number=445-4024-1-ND, Manufacturer=TDK, Manufacturer Part Number=C3216X7R1E105M085AA, Mouser Part Number=810-C3216X7R1E105M-2, Tolerance=20%, Voltage Rating=25V
C5 C6: "CAP ALUM 120UF 20% 25V RADIAL", Digikey Part Number=565-1791-ND, Manufacturer Part Number=ELXY250ELL121MF15D, Mouser Part Number=661-ELXY250ELL121MF1, Tolerance=20%, Voltage Rating=25V
C8 C21 C25 C27 C37 C38 C45 C51 C65 C66 C67 C68 C71 C72 C73 C102: "CAP CER 10UF 16V X5R 0805", Capacitance=10µF, Case Code (Imperial)=0805, Case Code (Metric)=2012, Manufacturer=Samsung, Manufacturer Part Number=CL21A106KOCL3RC, Max Operating Temperature=85°C, Min Operating Temperature=-55°C, Package Quantity=1, Supplier Part Number 1=8109145, Tolerance=10%, Voltage Rating=16V, Case/Package=0805, Category="Ceramic Capacitors", ComponentLink1Description=https://datasheet.ciiva.com/25796/cl21a106kocl3rc-25796224.pdf?src-supplier=Digi-Key, ComponentLink1URL=https://datasheet.ciiva.com/25796/cl21a106kocl3rc-25796224.pdf?src-supplier=Digi-Key, Length=0.079inch, Mount="Surface Mount", Packaging="Tape and Reel", Pricing 1="1=0,10400, 50=0,08230, 100=0,07900, 500=0,07190, 1500=0,06740 (USD)", RoHS=Yes, Stock 1=3934, Supplier 1="Future Electronics", Thickness=0.037inch, Width=0.049inch
C9 C10 C15 C16: "CAP ALUM 100UF 20% 50V RADIAL", Digikey Part Number=399-6119-ND, Manufacturer Part Number=ESY107M050AG3AA, Mouser Part Number=80-ESY107M050AG3AA, Tolerance=20%, Voltage Rating=50V
C11 C12 C13 C14 C17 C18 C19 C23 C26 C28 C31 C36 C40 C41 C42 C43 C46 C47 C48 C49 C50 C56 C97 C98 C104 C106 C108: "CAP CER 0.1UF 25V 10% X7R 0805", Digikey Part Number=311-1141-1-ND, Manufacturer=Yageo, Manufacturer Part Number=CC0805KRX7R8BB104, Mouser Part Number=603-CC805KRX7R8BB104, Tolerance=10%, Voltage Rating=25V
C20: library part CAP_C3216X7R1E105M085AA_TDK, "1 µF, 25 V, Capacitores cerámicos, X7R, 1206 (3216 métrico), 0.126\" L x 0.063\" A (3.20 mm x 1.60 mm)", Digikey Part Number=445-4024-1-ND, Manufacturer=TDK, Manufacturer Part Number=C3216X7R1E105M085AA, Mouser Part Number=810-C3216X7R1E105M-2, Tolerance=20%, Voltage Rating=25V
C22: "CAP CER 4.7UF 25V X5R 0805", Digikey Part Number=311-1904-1-ND, Manufacturer=YAGEO, Manufacturer Part Number=CC0805KKX5R8BB475, Mouser Part Number=603-CC805KKX5R8BB475, Tolerance=10%, Voltage Rating=25V
C24 C57 C58 C59 C100 C101 C105: "Cap Ceramic 10uF 50V X5R 20% Pad SMD 1206 85C Automotive T/R", Case Code (Imperial)=1206, Case Code (Metric)=3216, Manufacturer=Murata, Manufacturer Part Number=GRT31CR61H106ME01L, Max Operating Temperature=85°C, Min Operating Temperature=-55°C, Ratings=AEC-Q200, Supplier Part Number 1=490-12457-1-ND, Tolerance=20%, Voltage Rating=50V, Case/Package=1206, Category="Ceramic Capacitors", ComponentLink1Description=http://search.murata.co.jp/Ceramy/image/img/A01X/G101/ENG/GRT31CR61H106ME01-01.pdf?src-supplier=Digi-Key, ComponentLink1URL=http://search.murata.co.jp/Ceramy/image/img/A01X/G101/ENG/GRT31CR61H106ME01-01.pdf?src-supplier=Digi-Key, Length=0.126inch, Mount="Surface Mount", Packaging="Tape and Reel", Pricing 1="1=0,46000, 10=0,31800, 50=0,22240, 100=0,19060, 500=0,14294, 1000=0,12070 (USD)", RoHS=Yes, RoHS Compliant=Yes, Stock 1=575627, Supplier 1=Digi-Key, Thickness=0.071inch, Width=0.063inch
C29 C30: "CAP CER 2.2UF 16V X7R 1206", Digikey Part Number=311-1957-1-ND, Manufacturer=YAGEO, Manufacturer Part Number=CC1206KKX7R7BB225, Mouser Part Number=603-CC126KKX7R7BB225, Tolerance=10%, Voltage Rating=16V
C32 C35 C39 C44: "CAP CER 15PF 50V NP0 0805", Digikey Part Number=399-7428-1-ND, Manufacturer=Kemet, Manufacturer Part Number=C0805X150J5GACTU, Mouser Part Number=80-C0805X150J5G, Tolerance=5%, Voltage Rating=50V
C33 C34 C64 C81 C82 C87: "CAP CER 1UF 16V X7R 0805", Digikey Part Number=311-1365-1-ND, Manufacturer=YAGEO, Manufacturer Part Number=CC0805KKX7R7BB105, Mouser Part Number=603-CC805KKX7R7BB105, Tolerance=10%, Voltage Rating=16V
C52 C53: "1206 4.7 uF 50 V ±10% Tolerance X7R SMT Multilayer Ceramic Capacitor", Case Code (Imperial)=1206, Case Code (Metric)=3216, Dielectric=X7R, Manufacturer=Murata, Manufacturer Part Number=GRM31CR71H475KA12L, Max Operating Temperature=125°C, Min Operating Temperature=-55°C, Package Quantity=2000, Supplier Part Number 1=24R6347, Tolerance=10%, Voltage=50V, Case/Package=1206, Category="Ceramic Capacitors", ComponentLink1Description=https://datasheet.ciiva.com/6072/415379-6072784.pdf?src-supplier=Farnell, ComponentLink1URL=https://datasheet.ciiva.com/6072/415379-6072784.pdf?src-supplier=Farnell, ComponentLink2Description=https://datasheet.ciiva.com/3777/2267grm31cr71h475ka1223-3777241.pdf?src-supplier=Arrow+Electronics, ComponentLink2URL=https://datasheet.ciiva.com/3777/2267grm31cr71h475ka1223-3777241.pdf?src-supplier=Arrow+Electronics, ComponentLink3Description=https://datasheet.ciiva.com/29202/450972-da-01-de-vs-chip-kond-1206-4-7-uf-10pr-50-0v-x7r-29202576.pdf?src-supplier=Conrad, ComponentLink3URL=https://datasheet.ciiva.com/29202/450972-da-01-de-vs-chip-kond-1206-4-7-uf-10pr-50-0v-x7r-29202576.pdf?src-supplier=Conrad, ComponentLink4Description=https://datasheet.ciiva.com/29202/451279-da-01-de-vs-kondens-grm31-cr71h-475ka12l-29202365.pdf?src-supplier=Conrad, ComponentLink4URL=https://datasheet.ciiva.com/29202/451279-da-01-de-vs-kondens-grm31-cr71h-475ka12l-29202365.pdf?src-supplier=Conrad, ComponentLink5Description=https://datasheet.ciiva.com/7937/415310-7937749.pdf?src-supplier=Element14, ComponentLink5URL=https://datasheet.ciiva.com/7937/415310-7937749.pdf?src-supplier=Element14, ComponentLink6Description=https://datasheet.ciiva.com/6270/partnumbering-e-01-6270219.pdf?src-supplier=Digi-Key, ComponentLink6URL=https://datasheet.ciiva.com/6270/partnumbering-e-01-6270219.pdf?src-supplier=Digi-Key, ComponentLink7Description=https://datasheet.ciiva.com/6270/partnumbering-e-01-6270217.pdf?src-supplier=Digi-Key, ComponentLink7URL=https://datasheet.ciiva.com/6270/partnumbering-e-01-6270217.pdf?src-supplier=Digi-Key, ComponentLink8Description=https://datasheet.ciiva.com/6270/partnumbering-e-01-6270218.pdf?src-supplier=Digi-Key, ComponentLink8URL=https://datasheet.ciiva.com/6270/partnumbering-e-01-6270218.pdf?src-supplier=Digi-Key, Construction=Flat, Depth=1.6mm, Height=1.6mm, Lead Free="Lead Free", Length=3.2mm, Material=Ceramic, Mount="Surface Mount", Packaging="Tape and Reel", Radiation Hardening=No, REACH SVHC="No SVHC", RoHS Compliant=Yes, Series=GRM, Supplier 1=Newark, Termination=SMD/SMT, Thickness=0.071inch, Voltage Rating=50V, Voltage Rating (DC)=50V, Width=0.063inch
C54 C55 C99 C103: "CAP CER 47UF 25V X5R 1206", Capacitance=47uF, Dielectric=X5R, Manufacturer=Murata, Manufacturer Part Number=GRM31CR61E476ME44L, Supplier Part Number 1=490-16268-2-ND, Tolerance=20%, Voltage Rating (DC)=25V, Category="Ceramic Capacitors", ComponentLink1Description=https://search.murata.co.jp/Ceramy/image/img/A01X/partnumbering_e_01.pdf?src-supplier=Digi-Key, ComponentLink1URL=https://search.murata.co.jp/Ceramy/image/img/A01X/partnumbering_e_01.pdf?src-supplier=Digi-Key, Length=3.2mm, Pricing 1="2000=0,37770, 4000=0,35816 (USD)", RoHS=Yes, Stock 1=122000, Supplier 1=Digi-Key, Thickness=1.6mm, Width=1.6mm
C60 C61 C62: "Cap Film 10uF 500V PP 10% (31.5 X 22 X 36.5mm) Dipped Radial 27.5mm 105°C Bulk", Capacitance=10uF, Case/Package=Radial, Dielectric Material=PP, ESR (Equivalent Series Resistance)=4.2mR, Manufacturer="TDK EPCOS", Manufacturer Part Number=B32754C2106K000, Max Operating Temperature=105°C, Min Operating Temperature=-40°C, Supplier Part Number 1=495-76101-ND, Tolerance=10%, Voltage Rating (AC)=250V, Voltage Rating (DC)=500V, Category="Film Capacitors", ComponentLink1Description=https://en.tdk.eu/inf/20/20/ds/MKP_B32754_758.pdf?src-supplier=Digi-Key, ComponentLink1URL=https://en.tdk.eu/inf/20/20/ds/MKP_B32754_758.pdf?src-supplier=Digi-Key, Mount="Through Hole", Packaging=Bulk, Pricing 1="1=5,13000, 10=4,62000, 50=4,00380, 100=3,49040, 500=2,87448, 1000=2,78648 (USD)", RoHS=No, RoHS Compliant=No, Stock 1=338, Supplier 1=Digi-Key, Termination="PC Pins"
C63 C69 C70 C74: "Cap Ceramic 0.0022uF 50V X7R 10% SMD 0805 125°C Paper T/R", Capacitance=2.2nF, Case Code (Imperial)=0805, Case Code (Metric)=2012, Dielectric=X7R, Dielectric Material=Ceramic, Manufacturer=KEMET, Manufacturer Part Number=C0805C222K5RACTU, Max Operating Temperature=125°C, Min Operating Temperature=-55°C, Package Quantity=1, Supplier Part Number 1=399-1151-1-ND, Tolerance=10%, Voltage=50V, Case/Package=0805, Category="Ceramic Capacitors", ComponentLink1Description=https://datasheet.ciiva.com/28692/1851736-28692973.pdf?src-supplier=Element14, ComponentLink1URL=https://datasheet.ciiva.com/28692/1851736-28692973.pdf?src-supplier=Element14, ComponentLink2Description=https://datasheet.ciiva.com/28584/kem-c1002-x7r-smd-28584143.pdf?src-supplier=Element14, ComponentLink2URL=https://datasheet.ciiva.com/28584/kem-c1002-x7r-smd-28584143.pdf?src-supplier=Element14, Construction=Flat, Depth=1.25mm, Dissipation Factor=2.5%, Height=0.78mm, Lead Pitch=0.75mm, Length=2mm, Mount="Surface Mount,PCB", Number of Pins=2, Packaging="Tape and Reel", Radiation Hardening=No, REACH SVHC="No SVHC", RoHS Compliant=Yes, Series=C, Supplier 1=Digi-Key, Termination=SMD/SMT, Thickness=0.035inch, Voltage Rating=50V, Voltage Rating (DC)=50V, Width=0.049inch
C75 C76 C77 C78 C79 C80 C83 C84 C85 C86 C88 C89 C90 C91 C92 C94 C95: "CAP CER 10000PF 50V NP0 0805", Digikey Part Number=490-8295-1-ND, Manufacturer="Murata Electronics North America", Manufacturer Part Number=GRM2195C1H103FA01D, Mouser Part Number=81-GRM2195C1H103FA1D, Tolerance=1%, Voltage Rating=50V
C93 C96: "CAP CER 3600PF 50V C0G/NP0 0805", Case Code (Imperial)=0805, Case Code (Metric)=2012, Dielectric=C0G, Manufacturer=Murata, Manufacturer Part Number=GRM2165C1H362JA01D, Max Operating Temperature=125°C, Min Operating Temperature=-55°C, Package Quantity=1, Supplier Part Number 1=490-3318-1-ND, Tolerance=5%, Voltage Rating=50V, Case/Package=0805, Category="Ceramic Capacitors", ComponentLink1Description=https://datasheet.ciiva.com/29542/grm2165c1h362ja01-01-29542674.pdf?src-supplier=Digi-Key, ComponentLink1URL=https://datasheet.ciiva.com/29542/grm2165c1h362ja01-01-29542674.pdf?src-supplier=Digi-Key, ComponentLink2Description=https://datasheet.ciiva.com/5423/product-5423670.pdf?src-supplier=Mouser, ComponentLink2URL=https://datasheet.ciiva.com/5423/product-5423670.pdf?src-supplier=Mouser, ComponentLink3Description=https://datasheet.ciiva.com/169/partnumbering-e-01-169119.pdf?src-supplier=Digi-Key, ComponentLink3URL=https://datasheet.ciiva.com/169/partnumbering-e-01-169119.pdf?src-supplier=Digi-Key, Construction=Flat, Depth=1.25mm, Height=0.6mm, Lead Free="Lead Free", Length=2mm, Mount="Surface Mount", Packaging="Tape and Reel", Radiation Hardening=No, RoHS Compliant=Yes, Series=GRM, Supplier 1=Digi-Key, Termination=SMD/SMT, Thickness=0.028inch, Voltage Rating (DC)=50V, Width=0.049inch
D1 D6 D13: library part DIO_SK36_MICROCOM, "DIODE SCHOTTKY 60V 3A SMC", Digikey Part Number=SK36-TPMSCT-ND, Manufacturer="Micro Commercial Co", Mouser Part Number=833-SK36-TP, Manufacturer Part Number=SK36-TP